# KiCad board AmigaPCI Mainboard.kicad_pcb (continued)
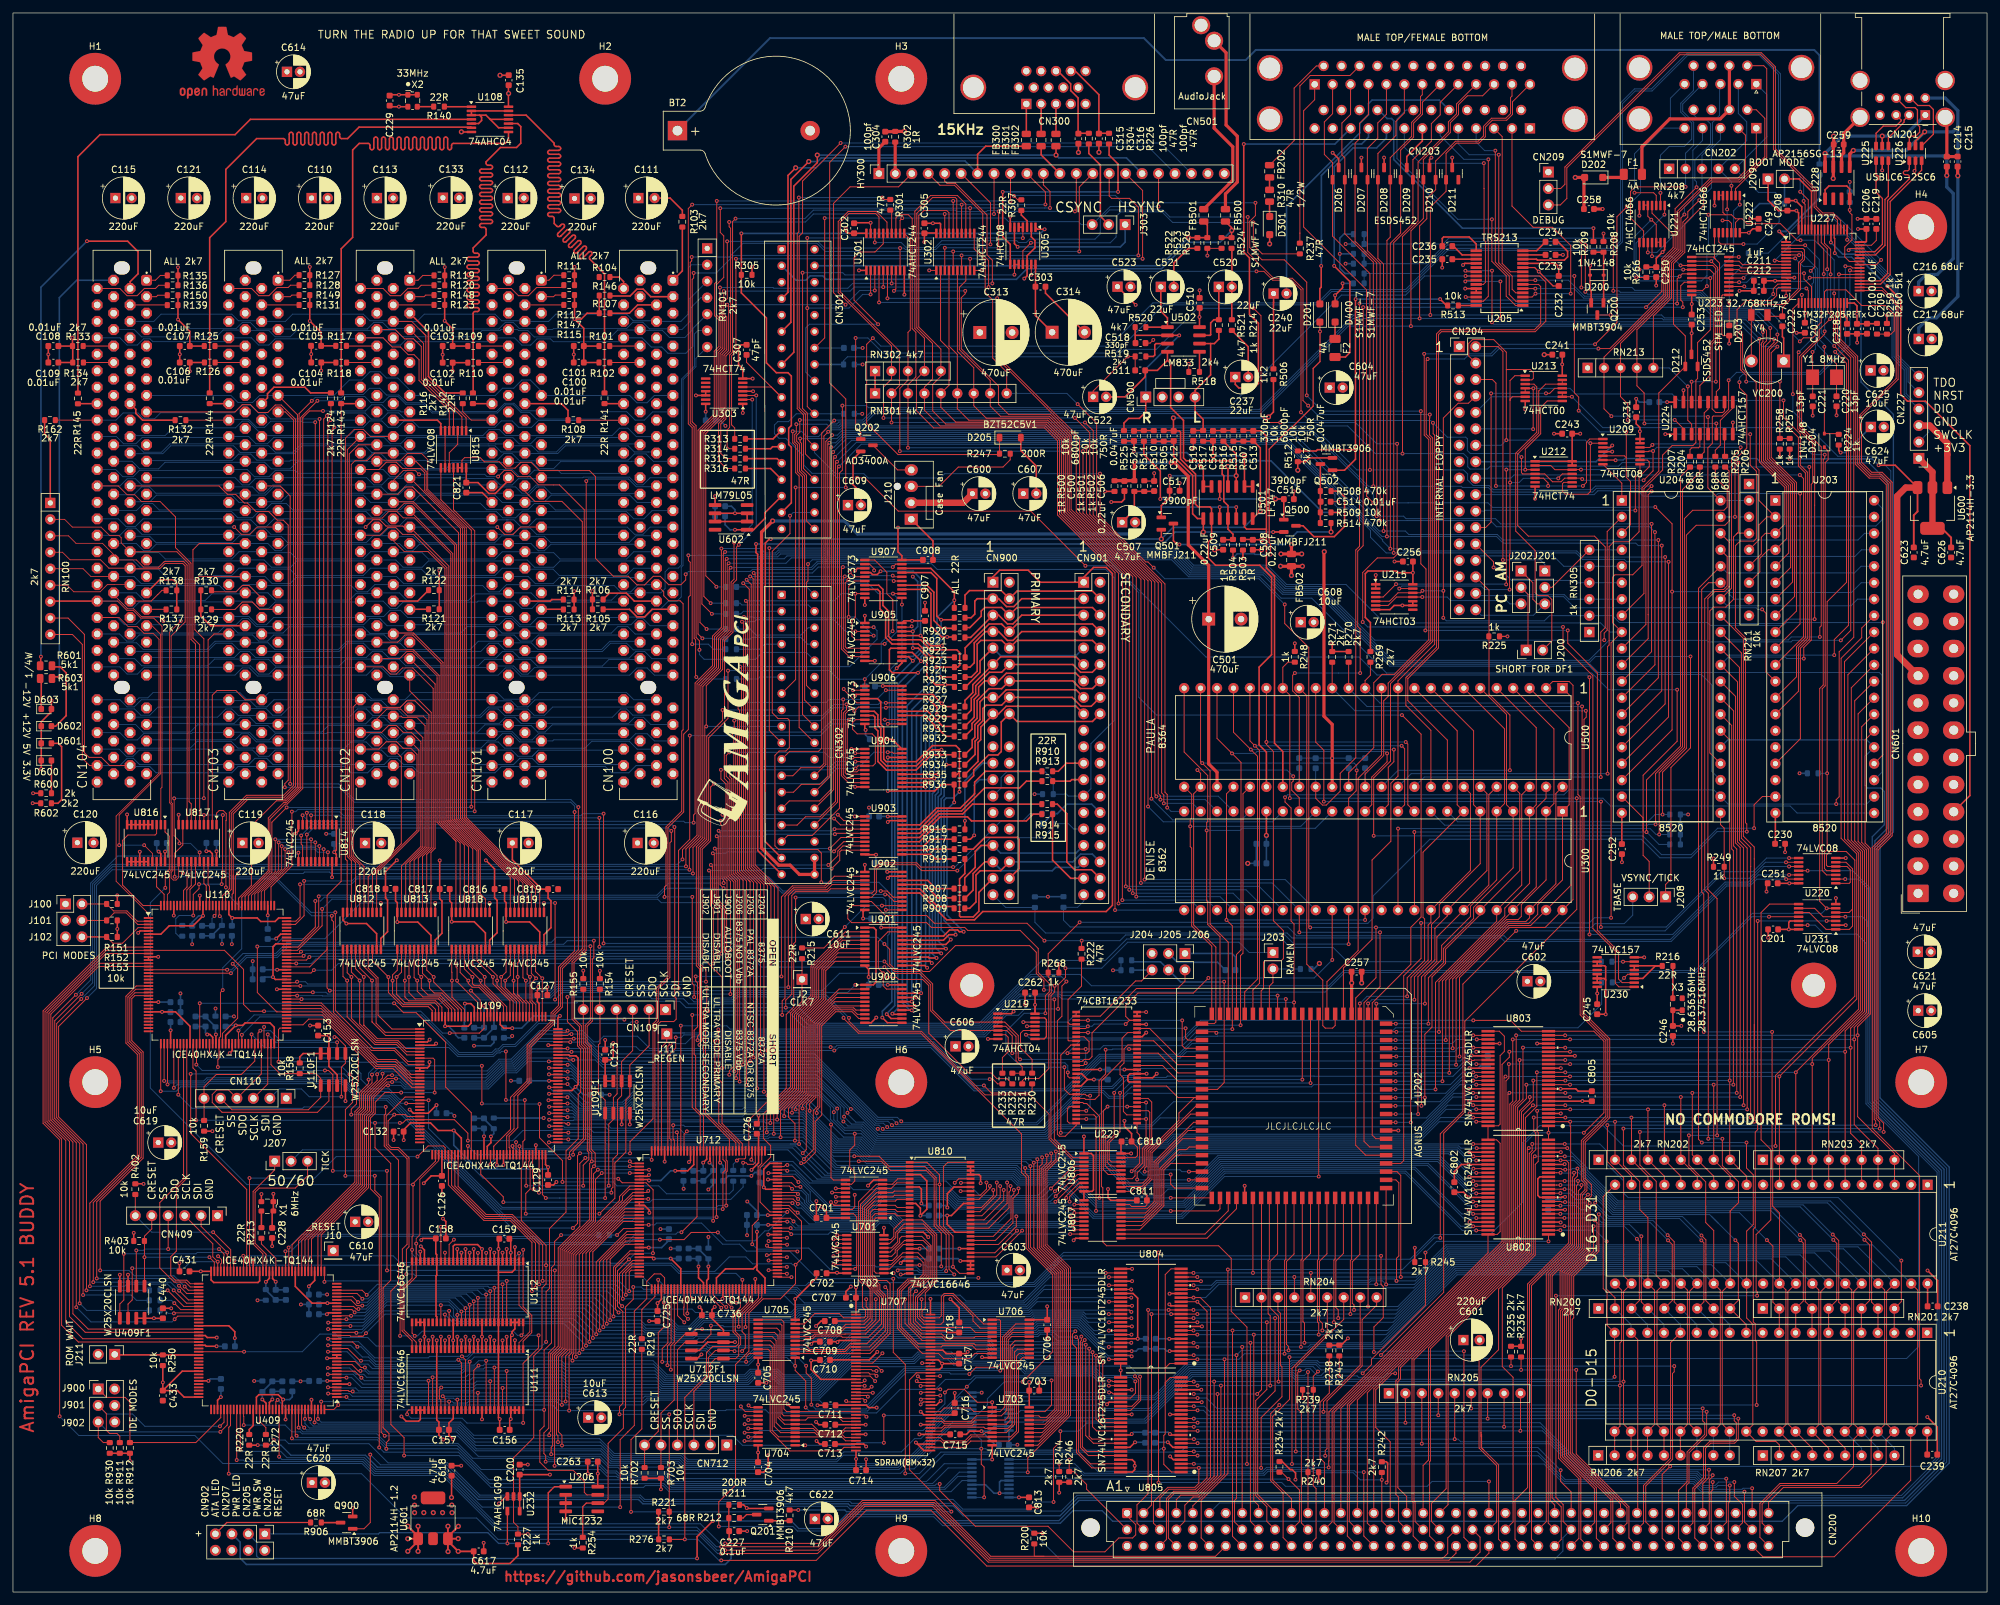
[diagram p0: board, top side]
## Routing (per net, layer and track width the routed paths; a pad name or vN(x,y) marks a point on that pad's centre or on a via; arc(x,y) is an arc through that point) (continued)
  Bottom w0.15: v1(192.11,30.58) v1(185.99,30.58) 185.98,30.59 v1(182.32,30.59)
A2: length 371.7
  Top w0.15: U210.21 248.12,25.62 248.12,25.63 v1(248.12,31.9) 248.12,38.46 248.38,38.72 248.38,46.62 U211.21 ; U202.61 193.99,51.38 193.8,51.19 193.8,42.99 194.12,42.66 194.12,31.88 v1(194.13,31.88) ; v1(182.89,31.88) 182.88,31.87 U805.22 ; v1(186.51,31.88) 186.51,18.08 183.1,14.67 182.2,14.67 180.94,13.41 180.94,10.96 CN200.b4 ; RN206.2 247.3,24.78 ; U227.29 281.7,193.51 284.52,190.69 284.52,174.1 286.61,172.01 288.22,172.01 289.24,170.99 289.24,117.14 287.08,114.98 287.08,71.62 294.38,64.31 294.38,32.94 294.61,32.71 v1(294.61,31.89)
  Bottom w0.15: v1(294.61,31.89) 294.6,31.9 v1(248.12,31.9) 248.1,31.88 v1(194.13,31.88) v1(186.51,31.88) v1(182.89,31.88)
A3: length 355.5
  Top w0.15: v1(182.32,32.5) 182.31,32.5 U805.23 ; v1(287.61,72.09) 287.61,72.77 287.38,73 287.38,114.86 289.55,117.03 289.55,171.1 288.34,172.31 286.73,172.31 284.82,174.22 284.82,190.82 282.2,193.44 U227.30 ; v1(246.18,72.1) 246.18,66.48 248.69,63.97 248.69,48.85 U211.22 248.68,46.41 v1(248.68,32.5) 248.68,25.94 U210.22 ; U202.62 195.26,52.23 194.1,51.06 194.1,43.9 195.39,42.6 195.39,32.51 v1(195.41,32.5) ; RN206.3 249.84,24.78 ; v1(185.46,32.5) 185.46,17.88 182.85,15.27 179.35,15.27 178.4,14.32 178.4,8.34 CN200.c4
  Bottom w0.15: v1(287.61,72.09) 246.19,72.09 v1(246.18,72.1) ; v1(248.68,32.5) v1(195.41,32.5) v1(185.46,32.5) v1(182.32,32.5)
A4: length 360.6
  Top w0.15: U227.33 288.61,200.97 290.77,198.81 290.77,187.38 285.12,181.73 285.12,174.35 286.86,172.61 288.47,172.61 289.85,171.23 289.85,116.9 287.68,114.73 287.68,73.12 288.23,72.57 v1(288.23,71.57) ; v1(187.06,35.94) 187.06,18.2 182.17,13.31 CN200.a5 ; 252.37,21.11 U210.23 253.45,25.88 253.45,46.62 U211.23 252.44,57.79 251.17,59.06 251.17,63.39 248.65,65.91 v1(248.65,71.57) ; U202.63 196.53,51.38 196.34,51.19 v1(196.34,36.8) ; v1(182.88,35.94) U804.2
  Bottom w0.15: v1(248.65,71.57) v1(288.23,71.57) ; U211.23 251.08,49 222.98,49 211.57,37.59 200.56,37.59 199.77,36.8 v1(196.34,36.8) 190.14,36.8 189.28,35.94 v1(187.06,35.94) v1(182.88,35.94)
A5: length 363.7
  Top w0.15: RN206.5 254.92,24.78 ; v1(196.95,37.32) 196.95,37.92 196.64,38.23 196.64,51.05 197.8,52.21 U202.64 ; U227.34 288.54,201.47 291.07,198.94 291.07,187.26 285.42,181.61 285.42,174.47 286.98,172.91 288.59,172.91 290.15,171.35 290.15,116.78 287.98,114.61 287.98,73.25 288.83,72.4 v1(288.83,71.05) ; U804.3 182.31,36.57 v1(182.31,36.58) ; v1(188.92,36.58) 188.92,14.46 188.6,14.14 188.6,10.84 CN200.b8 ; v1(251.2,71.05) 251.2,65.94 253.72,63.42 253.72,48.9 U211.24 253.84,46.5 253.84,25.86 U210.24
  Bottom w0.15: v1(288.83,71.05) 288.82,71.05 v1(251.2,71.05) ; U211.24 253.32,49.3 222.85,49.3 211.45,37.89 200.43,37.89 199.87,37.32 v1(196.95,37.32) 189.67,37.32 v1(188.92,36.58) v1(182.31,36.58)
A6: length 159
  Top w0.15: U202.65 199.07,51.44 198.88,51.25 198.88,37.85 v1(198.87,37.85) ; 180.36,37.84 182.88,37.84 v1(182.88,37.85) ; U211.25 258.54,46.62 258.54,25.88 U210.25 257.45,21.11 ; CN200.a8 v1(189.79,37.85)
  Bottom w0.15: U211.25 255.54,49.62 222.76,49.62 211.33,38.19 200.31,38.19 199.97,37.85 v1(198.87,37.85) v1(189.79,37.85) v1(182.88,37.85)
A7: length 165.2
  Top w0.15: v1(199.41,38.49) 199.41,41.53 199.18,41.77 199.18,51.12 200.34,52.29 U202.66 ; v1(182.29,38.49) 182.28,38.48 U804.6 ; CN200.b9 191.06,10.92 v1(191.06,38.49) ; U210.26 258.83,25.94 258.83,46.41 U211.26
  Bottom w0.15: RN206.7 260,24.78 ; U211.26 257.77,49.93 222.64,49.93 211.2,38.49 v1(199.41,38.49) v1(191.06,38.49) v1(182.29,38.49)
A8: length 313.9
  Top w0.15: v1(258.76,70.52) 258.76,65.93 261.36,63.33 261.36,57.06 262.6,55.82 U211.27 263.62,46.62 263.62,25.88 U210.27 ; v1(191.58,39.75) 191.58,39.75 191.58,14.12 192.33,13.37 CN200.a9 ; v1(182.87,39.75) U804.8 ; U204.38 264.98,162.16 264.98,155.24 264.23,154.5 262.78,154.5 261.7,153.42 261.7,108.49 263.12,107.07 263.12,70.53 v1(263.13,70.52) ; v1(201.61,39.75) 201.61,41.53 201.42,41.72 201.42,51.22 201.61,51.42 U202.67
  Bottom w0.15: U211.27 259.99,50.25 222.54,50.25 212.04,39.75 v1(201.61,39.75) v1(191.58,39.75) v1(182.87,39.75) ; RN206.8 262.54,24.78 ; U203.38 285.89,163.48 284.87,162.45 264.68,162.45 U204.38 ; v1(258.76,70.52) v1(263.13,70.52)
A9: length 317.3
  Top w0.15: v1(202.17,40.39) 202.17,41.5 201.71,41.95 201.71,51.06 202.88,52.23 U202.68 ; CN200.c8 188.3,8.6 v1(188.3,40.39) ; U210.28 263.92,25.94 263.92,46.41 U211.28 265.14,58.82 265.13,58.83 266.42,60.12 266.42,63.35 263.93,65.84 v1(263.93,70) ; U804.9 182.27,40.38 v1(182.28,40.39) ; v1(261.76,69.99) 261.76,107.9 261.21,108.45 261.21,153.35 262.66,154.8 264.11,154.8 264.68,155.36 264.68,159.91 U204.37
  Bottom w0.15: U211.28 262.22,50.56 222.42,50.56 212.25,40.39 v1(202.17,40.39) v1(188.3,40.39) v1(182.28,40.39) ; v1(261.76,69.99) 261.76,70 v1(263.93,70) ; U210.28 265.07,21.11 ; U203.37 285.42,160.94 284.39,159.91 264.68,159.91 U204.37
A10: length 321.7
  Top w0.15: v1(182.87,41.66) 182.87,41.65 U804.11 ; v1(193.6,41.66) 193.6,31.29 191.88,29.57 191.88,14.89 193.6,13.18 193.6,10.92 CN200.b10 ; RN207.2 272.73,22.73 272.2,23.26 269.14,23.26 U210.29 268.63,25.81 268.63,41.36 267.68,42.31 U211.29 267.68,55.73 268.7,56.75 268.7,64.43 267.66,65.47 v1(267.66,69.41) ; v1(203.95,41.66) 203.95,41.66 203.95,51.25 204.15,51.44 U202.69 ; v1(260.76,69.41) 260.25,69.92 260.25,109.09 260.25,109.09 260.25,155 U204.36
  Bottom w0.15: v1(182.87,41.66) v1(193.6,41.66) v1(203.95,41.66) 213.1,41.66 222.3,50.86 264.46,50.86 U211.29 ; U203.36 285.36,158.4 284.33,157.38 264.68,157.38 U204.36 ; v1(260.76,69.41) v1(267.66,69.41)
A11: length 324
  Top w0.15: U804.12 182.27,42.29 v1(182.28,42.3) ; v1(261.06,86.49) 261.06,107.77 260.74,108.09 260.74,154.81 261.79,155.86 U204.35 ; 194.87,12.37 192.19,15.06 192.19,28.38 194.87,31.07 v1(194.87,42.3) ; v1(204.62,42.3) 204.62,43.57 204.25,43.94 204.25,51.12 205.42,52.29 U202.70 ; v1(271.61,86.49) 271.61,68.59 271.7,68.5 271.7,59.58 272.76,58.53 U211.31 273.75,46.65 273.75,25.84 U210.31 275.27,22.21 RN207.3
  Bottom w0.15: U203.35 285.38,155.86 283.86,154.34 265.17,154.34 U204.35 ; U211.31 269.24,51.16 222.17,51.16 213.31,42.3 v1(204.62,42.3) v1(194.87,42.3) v1(182.28,42.3) ; v1(271.61,86.49) v1(261.06,86.49)
A12: length 182.5
  Top w0.15: CN200.a2 175.79,13.43 v1(175.79,42.92) ; RN207.4 277.81,22.21 U210.32 274.05,25.97 274.05,46.38 U211.32 ; v1(178.82,42.92) 179.14,42.92 179.14,42.93 U804.13 182.87,42.93 v1(182.87,42.93) ; U202.71 206.69,51.38 206.5,51.19 206.5,42.94 v1(206.5,42.93)
  Bottom w0.15: v1(175.79,42.92) v1(178.82,42.92) ; v1(182.87,42.93) v1(206.5,42.93) 213.52,42.93 222.05,51.46 271.48,51.46 U211.32
A13: length 189.1
  Top w0.15: v1(207.06,43.56) 207.06,44.33 206.8,44.6 206.8,51 207.96,52.16 U202.72 ; v1(182.27,43.56) U804.14 178.44,43.56 v1(178.44,43.56) ; v1(175.27,43.56) 175.26,43.56 175.26,15.19 173.55,13.47 173.55,10.65 CN200.b2 ; RN207.5 280.35,22.21 U210.33 278.82,25.84 278.82,46.65 U211.33
  Bottom w0.15: v1(182.27,43.56) v1(207.06,43.56) 213.73,43.56 221.93,51.76 273.72,51.76 U211.33 ; v1(175.27,43.56) 178.43,43.56 v1(178.44,43.56)
A14: length 189.6
  Top w0.15: RN207.6 282.89,22.21 U210.34 279.12,25.97 279.12,46.38 U211.34 ; U202.73 v1(209.23,44.08) ; U804.16 v1(182.87,44.83) 184.36,43.34 184.36,17.63 182.6,15.87 178.44,15.87 177.09,14.52 CN200.a3
  Bottom w0.15: v1(182.87,44.83) 183.62,44.08 v1(209.23,44.08) 213.83,44.08 221.81,52.07 275.95,52.07 U211.34
A15: length 195
  Top w0.15: U210.35 283.9,25.84 283.9,46.65 U211.35 ; 180.36,45.46 182.27,45.46 v1(182.28,45.47) 183.33,45.47 184.9,43.9 184.9,17.74 182.73,15.57 179.23,15.57 178.1,14.44 178.1,8.12 CN200.c3 ; U202.74 v1(210.5,47.52)
  Bottom w0.15: U211.35 278.19,52.37 221.69,52.37 216.29,46.97 211.68,46.97 211.13,47.52 v1(210.5,47.52) 186.2,47.52 184.15,45.47 v1(182.28,45.47) ; RN207.7 285.43,22.21 U210.35
A16: length 183.5
  Top w0.15: CN200.c40 269.73,8.45 269.73,13.67 272.82,16.76 281.59,16.76 284.18,19.35 284.18,23.58 U210.36 284.2,25.97 284.2,46.38 U211.36 ; U804.19 182.86,46.74 v1(182.87,46.75) ; U202.75 v1(212.01,47.5)
  Bottom w0.15: v1(182.87,46.75) 184.85,46.75 185.93,47.82 209.48,47.82 209.7,48.05 211.46,48.05 v1(212.01,47.5) 216.39,47.5 221.56,52.67 280.43,52.67 U211.36 ; RN207.8 287.97,22.21 U210.36
A17: length 188.4
  Top w0.15: U211.37 288.99,46.65 288.99,25.84 U210.37 286.9,23.76 286.9,18.27 285.09,16.46 272.94,16.46 270.07,13.59 270.07,10.65 CN200.b40 ; U202.76 213.52,63.65 213.98,63.19 213.98,51.9 213.62,51.54 v1(213.62,48.05) ; v1(182.28,47.37) U804.20
  Bottom w0.15: U211.37 282.64,53 221.47,53 216.52,48.05 v1(213.62,48.05) 213.32,48.35 209.58,48.35 209.35,48.12 185.81,48.12 185.05,47.37 v1(182.28,47.37) ; U210.37 290.51,22.21 RN207.9
A18: length 187.4
  Top w0.15: RN204.4 v1(197.85,48.65) ; v1(182.87,48.65) 181.52,48.65 181.51,48.64 U804.22 ; v1(214.29,48.65) 214.28,48.66 214.28,64.33 213.69,64.92 U202.77 ; CN200.a40 271.07,13.87 273.36,16.16 285.4,16.16 289.22,19.98 289.22,23.54 U210.38 289.29,25.97 289.29,46.38 U211.38
  Bottom w0.15: U211.38 284.87,53.31 221.35,53.31 216.69,48.65 v1(214.29,48.65) v1(197.85,48.65) v1(182.87,48.65)
A19: length 193.7
  Top w0.15: U211.39 294.08,46.63 294.08,25.87 U210.39 293.01,17.25 281.21,5.45 270.19,5.45 CN200.c39 ; v1(191.46,49.28) 191.45,49.29 U202.59 ; v1(200.4,49.28) 200.39,49.27 RN204.5 ; v1(182.27,49.28) 182.26,49.27 U804.23
  Bottom w0.15: U211.39 287.1,53.62 221.24,53.62 216.9,49.28 v1(200.4,49.28) v1(191.46,49.28) v1(182.27,49.28)
A20: length 212.3
  Top w0.15: v1(267.34,15.5) 267.34,10.84 CN200.b39 ; v1(182.33,19.8) 182.32,19.81 U805.3 ; v1(197.48,19.77) 197.48,34.55 202.93,40 RN204.6 ; v1(190.53,19.77) 190.53,40.91 188.11,43.33 188.11,51.52 186.16,53.47 168.86,53.47 168.28,54.05 168.28,62.41 168.05,62.64 168.05,78.91 168.44,79.3 168.44,79.3 171.25,82.11 171.25,85.52 172.11,86.39 U229.23
  Bottom w0.15: v1(182.33,19.8) 182.36,19.77 v1(190.53,19.77) v1(197.48,19.77) 236.41,19.77 239.43,16.75 259.43,16.75 260.68,15.5 v1(267.34,15.5)
A21: length 123.9
  Top w0.15: CN200.c38 264.85,8.25 264.85,13.76 265.07,13.99 265.07,15.72 265.08,15.72 v1(265.08,16.46) ; RN204.7 205.47,42.12 198.07,34.72 v1(198.07,21.71) ; U805.6 v1(182.33,21.71)
  Bottom w0.15: v1(265.08,16.46) 263.25,16.46 262.95,16.16 260.87,16.16 259.65,17.38 243.71,17.38 243.68,17.35 239.68,17.35 235.32,21.71 v1(198.07,21.71) v1(182.33,21.71)
A22: length 118.4
  Top w0.15: v1(182.32,28.69) 182.31,28.69 U805.17 ; CN200.a35 258.37,16.49 258.79,16.9 258.79,21.5 261.5,24.22 v1(261.5,27.83) ; v1(202.34,27.83) 202.34,29.38 208.01,35.05 RN204.8
  Bottom w0.15: v1(182.32,28.69) 183.94,28.69 184.8,27.83 v1(202.34,27.83) v1(261.5,27.83)
A23: length 122
  Top w0.15: v1(202.62,21.04) 202.62,21.87 202.89,22.14 202.89,29.5 208.31,34.92 208.31,42.05 210.55,44.29 RN204.9 ; v1(182.9,21.07) 182.89,21.07 U805.5 ; v1(268.53,16.03) CN200.a39
  Bottom w0.15: v1(182.9,21.07) 182.93,21.04 v1(202.62,21.04) 235.56,21.04 239.55,17.05 259.55,17.05 260.74,15.86 266.96,15.86 267.12,16.02 268.52,16.02 v1(268.53,16.03)
A24: length 96.1
  Top w0.15: RN205.2 214.99,26.16 v1(215,26.15) ; CN200.a36 260.91,16.73 261.86,17.68 v1(261.86,18.88) ; U805.13 182.9,26.15 v1(182.91,26.15)
  Bottom w0.15: v1(261.86,18.88) 243.05,18.88 235.78,26.15 v1(215,26.15) v1(182.91,26.15)
A25: length 104.4
  Top w0.15: v1(265.78,16.99) 265.78,14.79 267.04,13.53 267.04,10.7 CN200.b38 ; v1(182.91,22.99) 182.9,22.98 U805.8 ; RN205.3 v1(217.53,22.91)
  Bottom w0.15: v1(265.78,16.99) 263.36,16.99 262.83,16.46 260.99,16.46 259.77,17.68 242.53,17.68 237.3,22.91 v1(217.53,22.91) 182.99,22.91 v1(182.91,22.99)
A26: length 112.3
  Top w0.15: RN205.4 v1(220.07,27.31) ; v1(265.77,27.31) 265.77,26.45 266.1,26.13 266.1,23.68 265.71,23.29 262.01,23.29 261.02,22.31 261.02,17.69 259.37,16.04 259.37,10.65 CN200.b35 ; U805.16 v1(182.9,28.06)
  Bottom w0.15: v1(182.9,28.06) 183.82,28.06 184.57,27.31 v1(220.07,27.31) 265.76,27.31 v1(265.77,27.31)
A27: length 102.2
  Top w0.15: v1(262.45,16.99) 262.45,15.79 262.21,15.55 262.21,8.35 CN200.c37 ; 180.36,23.62 182.33,23.62 v1(182.34,23.61) ; 222.61,30.52 v1(222.61,23.61)
  Bottom w0.15: v1(262.45,16.99) 260.89,16.99 259.9,17.98 242.65,17.98 237.42,23.21 223.53,23.21 223.13,23.61 v1(222.61,23.61) v1(182.34,23.61)
A28: length 107.1
  Top w0.15: CN200.c35 257.18,8.3 257.18,15.72 258.49,17.02 258.49,21.62 261.2,24.34 261.2,26.12 260.89,26.44 v1(260.89,28.36) ; U805.19 182.89,29.96 v1(182.9,29.96) ; RN205.6 v1(225.15,28.35)
  Bottom w0.15: v1(182.9,29.96) 184.28,29.96 185.88,28.35 v1(225.15,28.35) 260.88,28.35 v1(260.89,28.36)
A29: length 115.1
  Top w0.15: U805.14 182.31,26.79 v1(182.32,26.78) ; v1(266.39,26.78) 266.39,23.56 265.83,22.99 262.13,22.99 261.32,22.18 261.32,17.57 259.67,15.92 259.67,8.35 CN200.c36 ; RN205.7 v1(227.69,26.78)
  Bottom w0.15: v1(182.32,26.78) v1(227.69,26.78) v1(266.39,26.78)
A30: length 99.4
  Top w0.15: v1(262.44,18.04) 262.44,17.84 261.91,17.31 261.91,10.65 CN200.b36 ; U805.12 182.31,25.52 v1(182.32,25.51) ; RN205.8 v1(230.23,25.51)
  Bottom w0.15: v1(182.32,25.51) v1(230.23,25.51) 235.97,25.51 242.9,18.58 260.14,18.58 260.68,18.04 v1(262.44,18.04)
A31: length 101.4
  Top w0.15: CN200.b37 264.55,10.75 264.55,17.5 v1(264.54,17.51) ; v1(182.92,24.89) 182.92,24.88 U805.11 ; v1(232.75,24.89) 232.77,24.91 RN205.9
  Bottom w0.15: v1(264.54,17.51) 260.79,17.51 260.02,18.28 242.78,18.28 236.17,24.89 v1(232.75,24.89) v1(182.92,24.89)
AD0: length 111.5
  Top w0.15: CN102.A58 59.96,128.93 59.96,115.55 54.85,110.44 U812.4
  Bottom w0.13: 58.87,130.31 72.26,130.31 73.22,131.27 74.94,131.27 75.9,130.31 78.88,130.31 ; 38.25,130.32 37.16,130.32 34.73,130.32 33.68,131.37 28.43,131.37 27.37,130.31 18.23,130.31 ; 99.35,130.16 96.39,130.16 95.18,131.37 89.38,131.37 88.31,130.3 79.17,130.3 ; 58.57,130.32 55.48,130.32 54.53,131.27 52.18,131.27 51.22,130.31 38.55,130.31
AD1: length 122.2
  Top w0.15: CN102.B58 56.49,130.16 57.63,131.3 59.23,131.3 60.24,130.29 61.45,130.29 62.38,129.36 62.38,117.62 55.5,110.74 U812.3
  Bottom w0.13: 74.1,130.01 77.01,130.01 77.96,129.06 80.19,129.06 81.13,130 ; CN104.B58 16.39,130.16 17.5,129.06 18.54,129.06 19.49,130.01 27.49,130.01 27.65,130.16 CN103.B58 ; 80.2,129.09 81.11,130 94.11,130 ; 53.48,130.01 40.47,130.01 39.52,129.06 37.95,129.06 36.99,130.02 33.47,130.02 ; 53.79,130.02 56.9,130.02 57.86,129.06 59.77,129.06 60.72,130.01 73.81,130.01
AD2: length 114
  Top w0.15: U812.2 56.16,111.04 62.68,117.56 62.68,130.02 61.26,131.44
  Bottom w0.13: 20.79,131.6 34.3,131.6 35.24,132.54 36.32,132.54 37.57,131.29 40.8,131.29 ; 81.43,131.28 78.24,131.28 76.97,132.55 75.55,132.55 74.53,131.53 73.4,131.53 73.39,131.52 61.35,131.52 ; 41.04,131.53 54.16,131.53 55.18,132.55 56.65,132.55 57.91,131.29 61.12,131.29 ; 101.89,131.42 99.04,131.42 97.93,132.54 96.13,132.54 95.19,131.6 83.51,131.6 83.34,131.44 81.58,131.44
AD3: length 122.6
  Top w0.15: U813.9 59.99,112.13 62.98,115.12 62.98,123.93 62.98,131.03 62.98,131.28 61.51,132.75 60.25,132.75 59.19,133.82 58.01,133.82 56.9,132.7 CN102.B56
  Bottom w0.13: 53.63,132.7 48.51,132.7 48.38,132.57 40.52,132.57 39.54,131.59 37.71,131.59 36.53,132.77 33.39,132.77 ; CN103.B56 27.71,132.7 27.57,132.57 20.2,132.57 19.22,131.59 17.62,131.59 16.51,132.7 CN104.B56 ; 73.8,132.54 60.13,132.54 59.17,131.59 58.03,131.59 56.77,132.85 53.79,132.85 ; 94.12,132.54 81.13,132.54 80.17,131.58 78.36,131.58 77.09,132.85 74.18,132.85
AD4: length 114.4
  Top w0.15: CN102.A55 63.28,131.96 63.28,115.06 60.64,112.42 U813.8
  Bottom w0.13: 40.8,134.12 37.54,134.12 36.58,135.08 35.1,135.08 34.16,134.14 20.79,134.14 ; 41.04,134.07 54.47,134.07 55.48,135.08 57.27,135.08 58.24,134.11 61.13,134.11 ; 61.43,134.14 75.11,134.14 76.05,135.08 77.5,135.08 78.46,134.12 81.42,134.12 ; 81.75,134.14 95.06,134.14 96,135.08 97.35,135.08 98.47,133.96 101.89,133.96
AD5: length 123.7
  Top w0.13: 63.93,133 63.93,134.69 63.34,135.27 60.94,135.27 59.86,136.35 57.72,136.35 56.18,134.81 CN102.B55
  Top w0.15: 63.93,133 63.93,115.01 61.94,113.02 U813.6
  Bottom w0.13: 35.8,133.91 28.49,133.91 27.38,132.8 20.09,132.8 18.91,133.97 CN104.B55 ; 56.05,133.84 48.72,133.84 47.68,132.8 40.37,132.8 39.35,133.82 36.48,133.82 ; 56.28,133.88 59.8,133.88 60.9,132.77 71.72,132.77 72.86,133.91 76.44,133.91 ; 77.12,133.82 80,133.82 81.02,132.8 82.15,132.8 83.26,133.91 96.76,133.91
AD6: length 119.3
  Top w0.13: 60,135.18 60.15,135.04 62.37,135.04 63.07,134.35
  Top w0.15: CN102.A54 59.94,135.24 60,135.18 ; 63.07,134.35 63.63,133.78 63.63,115.06 61.29,112.72 U813.7
  Bottom w0.13: 58.61,135.35 55.58,135.35 54.57,136.36 53.17,136.36 51.91,135.1 38.54,135.1 ; 18.23,135.1 31.6,135.1 32.86,136.36 33.79,136.36 34.81,135.34 38.31,135.34 ; 58.86,135.09 72.23,135.09 73.5,136.36 74.92,136.36 75.94,135.34 78.93,135.34 ; 99.2,135.41 95.7,135.41 94.75,136.36 93.82,136.36 92.55,135.09 79.17,135.09
AD7: length 124.4
  Top w0.15: U813.5 62.59,113.31 64.23,114.95 64.23,135.47 62.07,137.63 60.8,137.63 59.78,136.61 56.28,136.61
  Bottom w0.13: 76.67,136.35 79.5,136.35 80.46,135.39 82.06,135.39 83.33,136.66 96.65,136.66 ; 56.31,136.39 59.31,136.39 60.31,135.39 72.11,135.39 73.38,136.66 76.34,136.66 ; 35.93,136.45 39.05,136.45 40.1,135.4 41.43,135.4 42.69,136.66 56.03,136.66 ; 15.69,136.37 18.77,136.37 19.74,135.4 21.12,135.4 22.38,136.66 35.72,136.66
AD8: length 118.5
  Top w0.15: CN102.B52 52.53,136.67 52.53,113.71 54.21,112.03 U812.5
  Bottom w0.13: 74.13,137.62 76.96,137.62 77.9,136.68 79.5,136.68 80.6,137.77 94.27,137.77 ; CN102.B52 55.12,137.78 55.25,137.65 56.9,137.65 57.93,136.62 59.79,136.62 60.96,137.78 CN101.B52 ; CN104.B52 16.52,137.78 17.63,136.68 18.72,136.68 19.82,137.78 CN103.B52 ; 33.46,137.65 36.6,137.65 37.57,136.68 39.19,136.68 40.3,137.78 53.63,137.78
AD9: length 123.2
  Top w0.15: U813.4 63.24,113.61 64.58,114.95 64.58,135.83 61.26,139.15 61.26,141.59
  Bottom w0.13: 40.94,141.59 54.61,141.59 55.72,142.71 56.88,142.71 58.24,141.35 61.02,141.35 ; 61.26,141.58 74.92,141.58 76.04,142.7 77.13,142.7 78.39,141.44 81.43,141.44 ; 20.62,141.59 34.29,141.59 35.4,142.71 36.5,142.71 37.76,141.45 40.8,141.45 ; 101.89,141.58 99.04,141.58 97.93,142.7 96.35,142.7 95.23,141.58 81.57,141.58
AD10: length 132.6
  Top w0.13: CN102.B48 57.16,142.86 58.27,141.76 59.2,141.76 60.14,142.7 61.72,142.7 64.88,139.54 64.88,139.48
  Top w0.15: U813.3 63.89,113.91 64.88,114.9 64.88,139.48
  Bottom w0.13: 33.26,142.8 20.27,142.8 19.22,141.75 17.62,141.75 16.51,142.86 CN104.B48 ; 53.79,143.01 57,143.01 58.26,141.75 59.68,141.75 60.7,142.77 73.87,142.77 ; 94.17,142.75 80.52,142.75 79.51,141.74 78.57,141.74 77.31,143 74.09,143 ; 33.46,143.01 36.67,143.01 37.93,141.75 39.54,141.75 40.55,142.76 53.54,142.76
AD11: length 124.7
  Top w0.15: CN102.A47 65.18,140.22 65.18,114.84 64.54,114.2 U813.2
  Bottom w0.13: 41.11,144.3 54.54,144.3 55.51,145.27 57,145.27 58,144.27 61.13,144.27 ; 81.46,144.26 78.16,144.26 77.18,145.24 75.57,145.24 74.58,144.25 61.38,144.25 ; 40.78,144.3 37.47,144.3 36.53,145.24 35.11,145.24 34.17,144.3 20.79,144.3 ; 81.66,144.22 95.15,144.22 96.17,145.24 97.54,145.24 98.66,144.12 101.89,144.12
AD12: length 133.7
  Top w0.13: CN102.B47 59.7,144.13 60.81,145.24 61.72,145.24 65.48,141.48 65.48,141.12
  Top w0.15: 68.4,115.94 67.97,116.38 ; 67.97,116.38 68.4,115.95 68.4,104.95 ; 67.97,116.38 65.48,118.86 65.48,141.12
  Bottom w0.13: CN104.B47 18.79,144.13 19.9,143.03 30.09,143.03 31.13,144.07 35.8,144.07 ; 56.12,144.07 51.44,144.07 50.36,142.99 40.53,142.99 39.48,144.04 35.95,144.04 ; 56.28,144.04 59.65,144.04 60.66,143.03 71.83,143.03 72.82,144.02 76.39,144.02 ; 96.68,143.99 92,143.99 90.99,142.98 80.97,142.98 79.92,144.03 76.58,144.03
AD13: length 130.6
  Top w0.15: 58.82,145.5 61.83,145.5 65.8,141.53 65.8,118.9 69.04,115.65 U818.8
  Bottom w0.13: 99.25,145.49 95.77,145.49 94.75,146.51 92.27,146.51 91.01,145.25 79.17,145.25 ; 18.23,145.26 30.07,145.26 31.33,146.52 33.81,146.52 34.83,145.5 38.31,145.5 ; 38.54,145.26 50.38,145.26 51.64,146.52 54.12,146.52 55.14,145.5 58.62,145.5 ; 58.86,145.25 72.23,145.25 73.5,146.52 74.92,146.52 75.94,145.5 78.93,145.5
AD14: length 136.2
  Top w0.13: 60.52,147.79 59.41,146.67 CN102.B45
  Top w0.15: U818.7 69.69,115.35 66.1,118.95 66.1,143.42 61.73,147.79 60.52,147.79
  Bottom w0.13: 15.64,146.58 19.09,146.58 20.11,145.56 29.95,145.56 31.21,146.82 35.72,146.82 ; 76.34,146.82 71.85,146.82 70.58,145.55 60.74,145.55 59.74,146.55 56.29,146.55 ; 56.03,146.82 51.51,146.82 50.25,145.56 40.42,145.56 39.4,146.58 35.95,146.58 ; 96.66,146.81 92.15,146.81 90.89,145.55 81.05,145.55 80.03,146.57 76.58,146.57
AD15: length 133.3
  Top w0.15: 58.87,148.09 61.85,148.09 66.4,143.54 66.4,119 70.34,115.06 U818.6
  Bottom w0.13: 58.86,148.08 69.13,148.08 70.13,149.08 74.51,149.08 75.51,148.08 78.89,148.08 ; 58.63,148.04 55.11,148.04 54.1,149.05 42.66,149.05 41.7,148.09 38.55,148.09 ; 79.17,148.08 92.39,148.08 93.39,149.08 94.93,149.08 96.07,147.94 99.35,147.94 ; 18.23,148.09 31.64,148.09 32.6,149.05 33.78,149.05 34.74,148.09 38.26,148.09
AD16: length 149.2
  Top w0.13: 61.64,160.66 60.41,160.66 58.72,162.34 CN102.A32
  Top w0.15: 71,104.95 71,114.76 66.7,119.06 66.7,158.06 64.09,160.66 61.64,160.66
  Bottom w0.13: 18.24,163.03 21.12,163.03 22.07,162.08 33.93,162.08 34.96,163.11 38.33,163.11 ; 79.18,163.02 81.11,163.02 81.12,163.03 82.05,163.03 83,162.08 95.16,162.08 96.19,163.11 99.29,163.11 ; 58.87,163.02 61.75,163.02 62.74,162.03 74.38,162.03 75.45,163.1 78.96,163.1 ; 38.55,163.03 41.43,163.03 42.38,162.08 54.58,162.08 55.62,163.12 58.66,163.12
AD17: length 155
  Top w0.13: 60.94,163.33 60.14,163.33 59.1,164.37 57.86,164.37 56.68,163.19 CN102.B32
  Top w0.15: U818.4 71.65,114.46 67,119.11 67,158.18 61.85,163.33 60.94,163.33
  Bottom w0.13: 33.48,163.34 36.52,163.34 37.47,164.29 38.86,164.29 39.82,163.33 53.49,163.33 ; CN104.B32 16.52,163.19 17.63,164.29 18.96,164.29 19.92,163.33 33.18,163.33 ; 53.81,163.35 57.03,163.35 57.97,164.29 59.18,164.29 60.15,163.32 73.83,163.32 ; 74.11,163.33 77.15,163.33 78.11,164.29 79.89,164.29 80.85,163.33 94.11,163.33
AD18: length 149.1
  Top w0.13: 77.23,163.33 78.35,164.45 CN101.A31 ; CN103.A31 37.72,164.45 36.6,163.34 35.27,163.34 v1(34.15,164.46)
  Top w0.15: v1(54.45,164.45) 55.59,165.59 56.63,165.59 57.61,164.61 60.2,164.61 60.35,164.45 CN102.A31 67.3,158.42 67.3,119.16 71.9,114.57 71.9,107.73 72.29,107.33 U818.3 ; 77.23,163.33 75.9,163.33 v1(74.78,164.45)
  Bottom w0.13: v1(74.78,164.45) 74.76,164.45 74.77,164.44 61.26,164.44 ; CN104.A31 34.13,164.45 34.13,164.46 v1(34.15,164.46) ; 101.89,164.44 98.39,164.44 97.29,163.34 95.96,163.34 94.85,164.44 81.57,164.44 ; CN103.A31 v1(54.45,164.45)
AD19: length 159.6
  Top w0.13: 53.75,165.83 57,165.83 58.02,166.85 59.28,166.85 60.26,165.87 62,165.87 67.6,160.27 67.6,159.63
  Top w0.15: U818.2 72.94,107.03 72.15,107.83 72.15,114.67 67.6,119.22 67.6,159.63
  Bottom w0.13: 94.27,165.71 80.78,165.71 79.61,164.55 78.37,164.55 77.35,165.57 76.18,165.57 76.46,165.57 74.12,165.57 ; CN101.B30 60.74,165.72 59.62,164.61 58.26,164.61 57.24,165.63 53.74,165.63 ; CN103.B30 20.09,165.72 18.92,164.55 17.44,164.55 16.26,165.72 CN104.B30 ; 53.63,165.72 40.32,165.72 39.15,164.55 37.75,164.55 36.73,165.57 33.48,165.57
AD20: length 152.2
  Top w0.15: U819.9 76.79,110.38 67.9,119.27 67.9,160.36 CN102.A29
  Bottom w0.13: 101.89,166.98 98.68,166.98 97.41,165.72 95.85,165.72 94.71,166.86 81.72,166.86 ; 40.85,166.9 38,166.9 36.99,165.89 34.72,165.89 33.75,166.86 20.76,166.86 ; 81.48,166.89 78.63,166.89 77.62,165.88 75.61,165.88 74.66,166.83 61.43,166.83 ; 61.11,166.84 57.59,166.84 56.64,165.89 55.47,165.89 54.5,166.86 41.08,166.86
AD21: length 159.3
  Top w0.13: 68.2,161.38 68.2,161.62 61.7,168.12 60.41,168.12 59.38,167.09 56.28,167.09
  Top w0.15: U819.8 77.44,110.08 68.2,119.32 68.2,161.38
  Bottom w0.13: 56.33,167.14 59.85,167.14 60.84,168.13 72.15,168.13 73.15,167.13 76.37,167.13 ; 76.63,167.12 79.52,167.12 80.5,168.1 82.73,168.1 83.74,167.09 96.73,167.09 ; 35.77,167.09 22.58,167.09 21.57,168.1 20.17,168.1 19.06,166.99 CN104.B29 ; 56.08,167.09 43.21,167.09 42.2,168.1 39.94,168.1 38.97,167.13 36,167.13
AD22: length 157.5
  Top w0.15: U819.7 78.09,109.79 68.5,119.38 68.5,161.69 61.83,168.36 58.82,168.36
  Bottom w0.13: 58.71,168.26 55.21,168.26 54.1,169.38 42.47,169.38 41.45,168.36 38.49,168.36 ; 58.82,168.36 61.78,168.36 62.8,169.38 74.43,169.38 75.55,168.25 79.04,168.25 ; 99.35,168.25 96.36,168.25 95.24,169.38 83.11,169.38 82.15,168.42 79.2,168.42 ; 18.18,168.36 21.14,168.36 22.16,169.38 33.79,169.38 34.9,168.26 CN103.A28
AD23: length 162.7
  Top w0.13: 60.53,170.65 59.41,169.53 CN102.B27 ; 68.8,119.92 68.8,119.42 78.74,109.48 U819.6
  Top w0.15: 68.8,119.92 68.8,163.58 61.73,170.65 60.53,170.65
  Bottom w0.13: 35.72,169.68 22.06,169.68 21.09,170.65 19.86,170.65 18.65,169.44 15.64,169.44 ; 76.34,169.68 62.7,169.68 61.73,170.65 60.77,170.65 59.55,169.43 56.27,169.43 ; 56.03,169.68 42.38,169.68 41.41,170.65 40.25,170.65 38.99,169.39 36,169.39 ; 96.75,169.61 83.09,169.61 82.05,170.65 81.12,170.65 81.11,170.64 80.88,170.64 79.62,169.38 76.63,169.38
